# Altium PCB CM_PCB.PcbDoc (part 1 of 7) (continued)
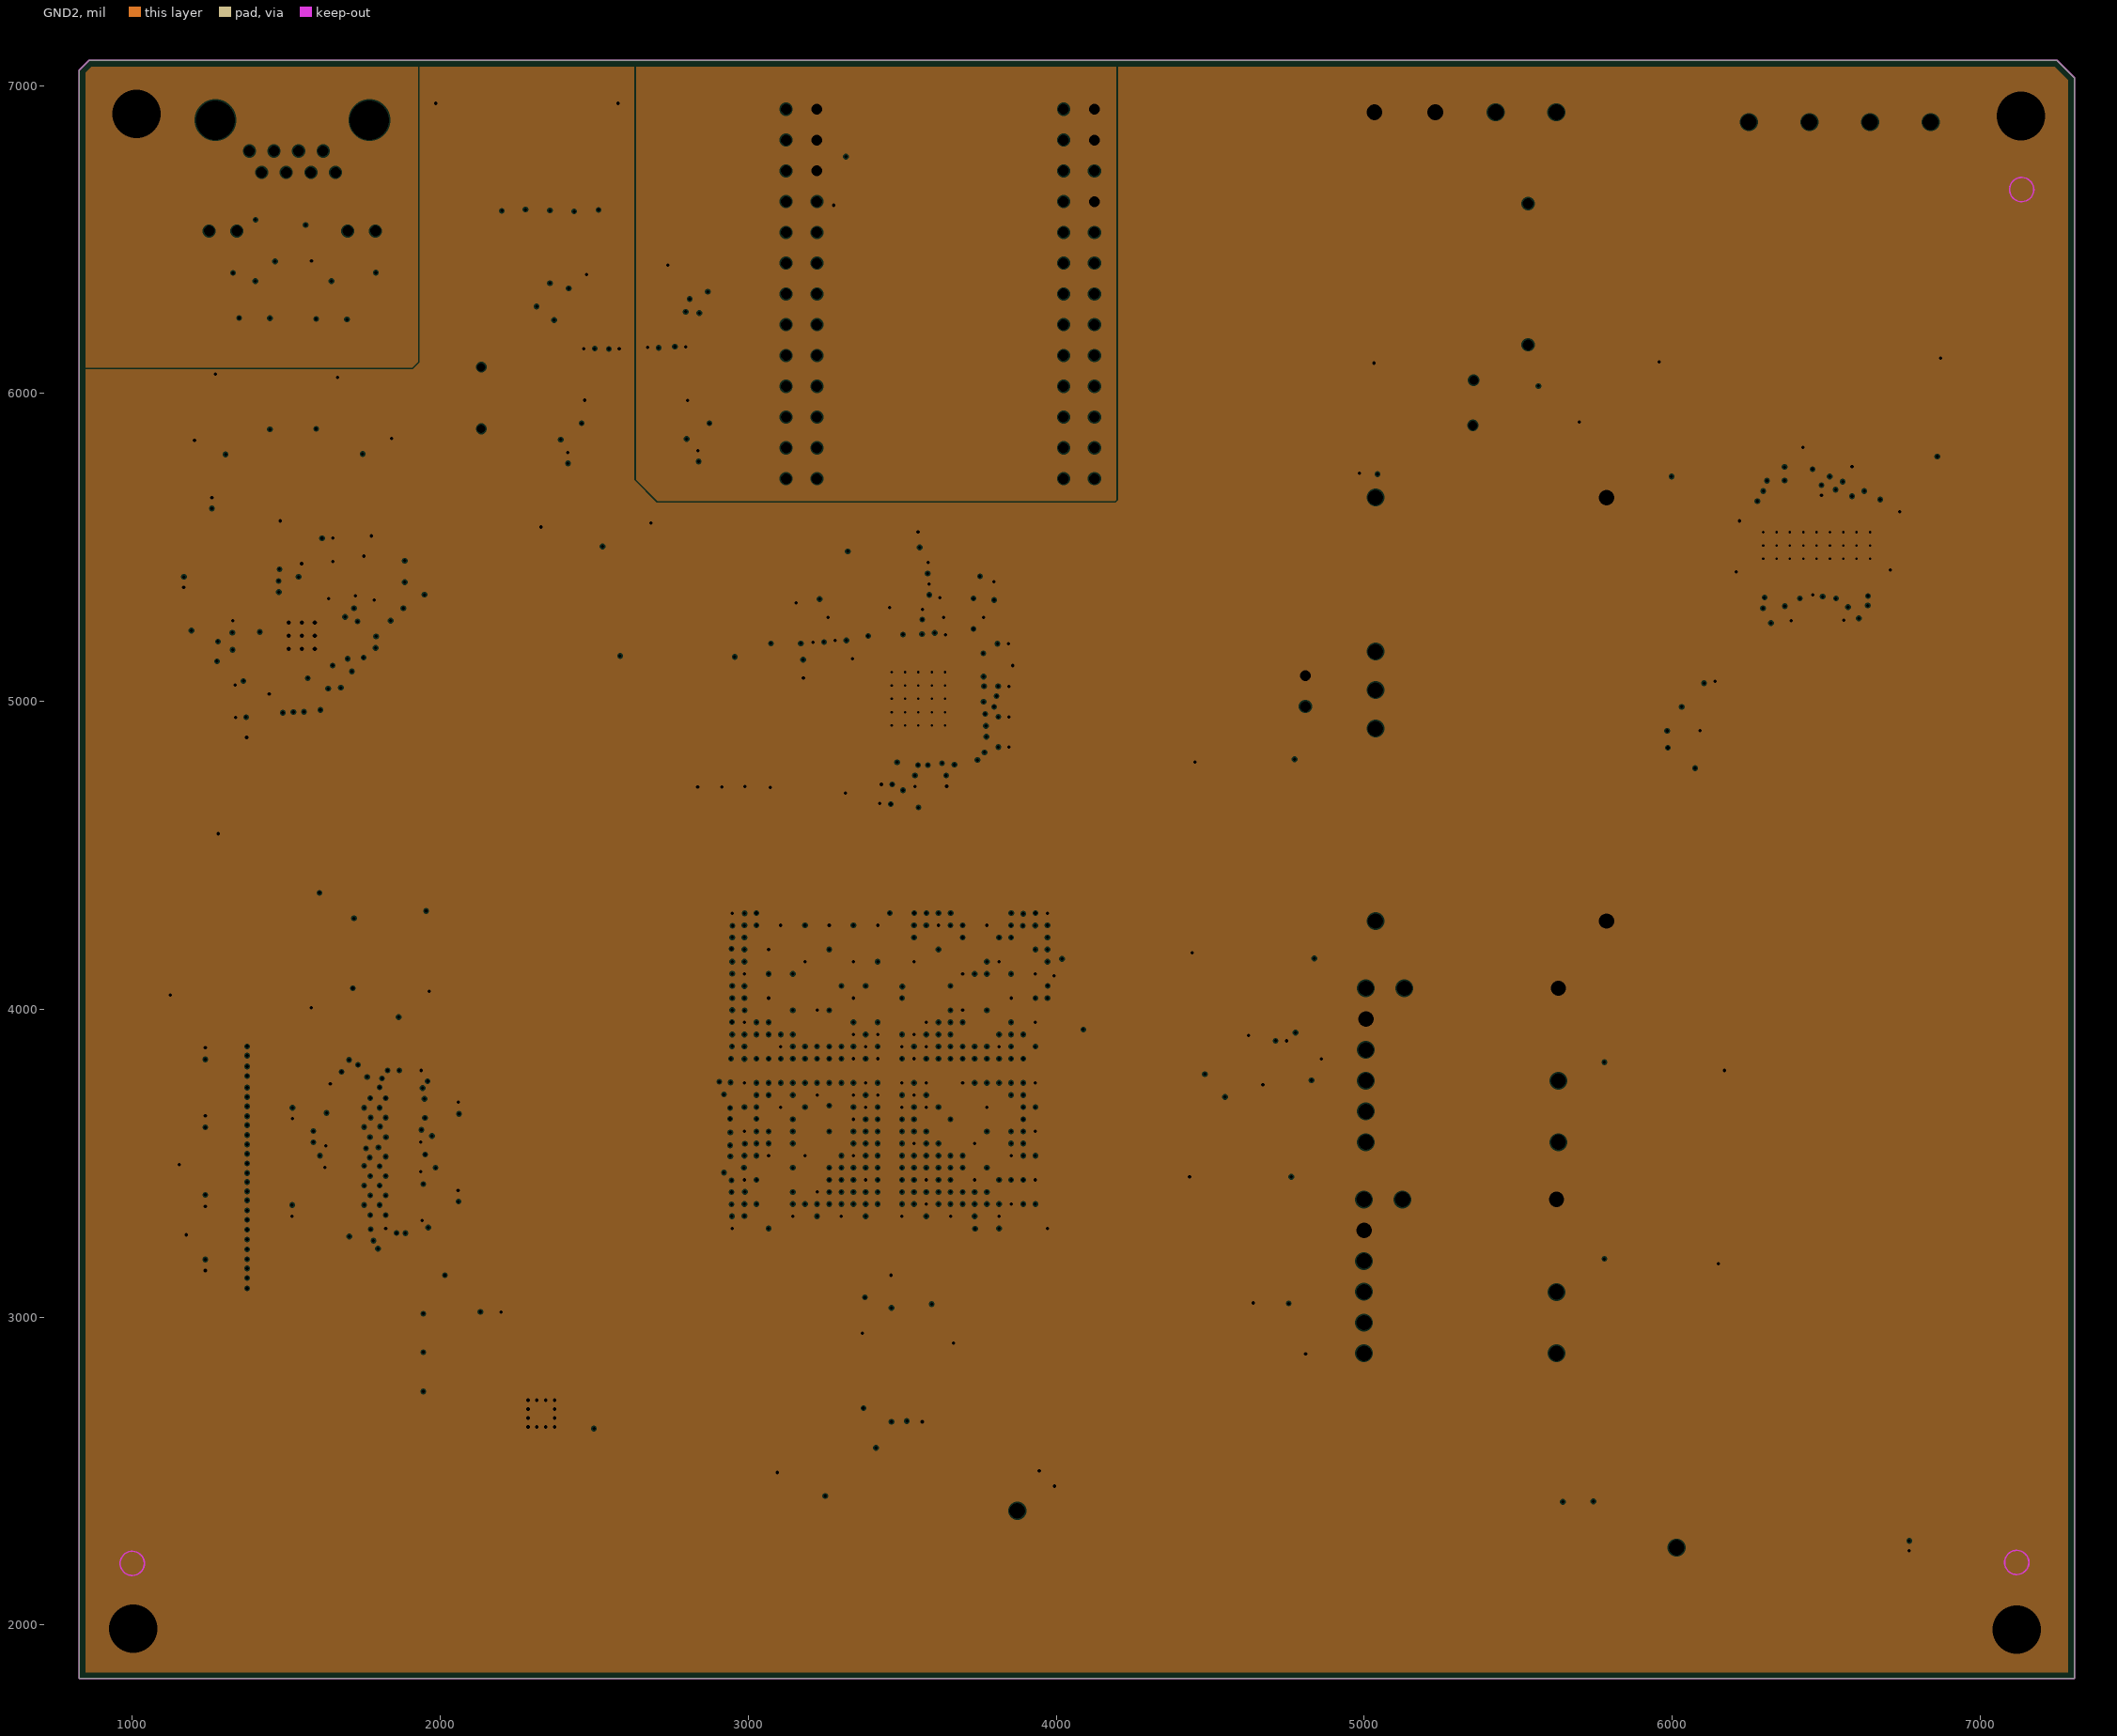
[diagram p4: GND2, clearances drawn from the general rule]
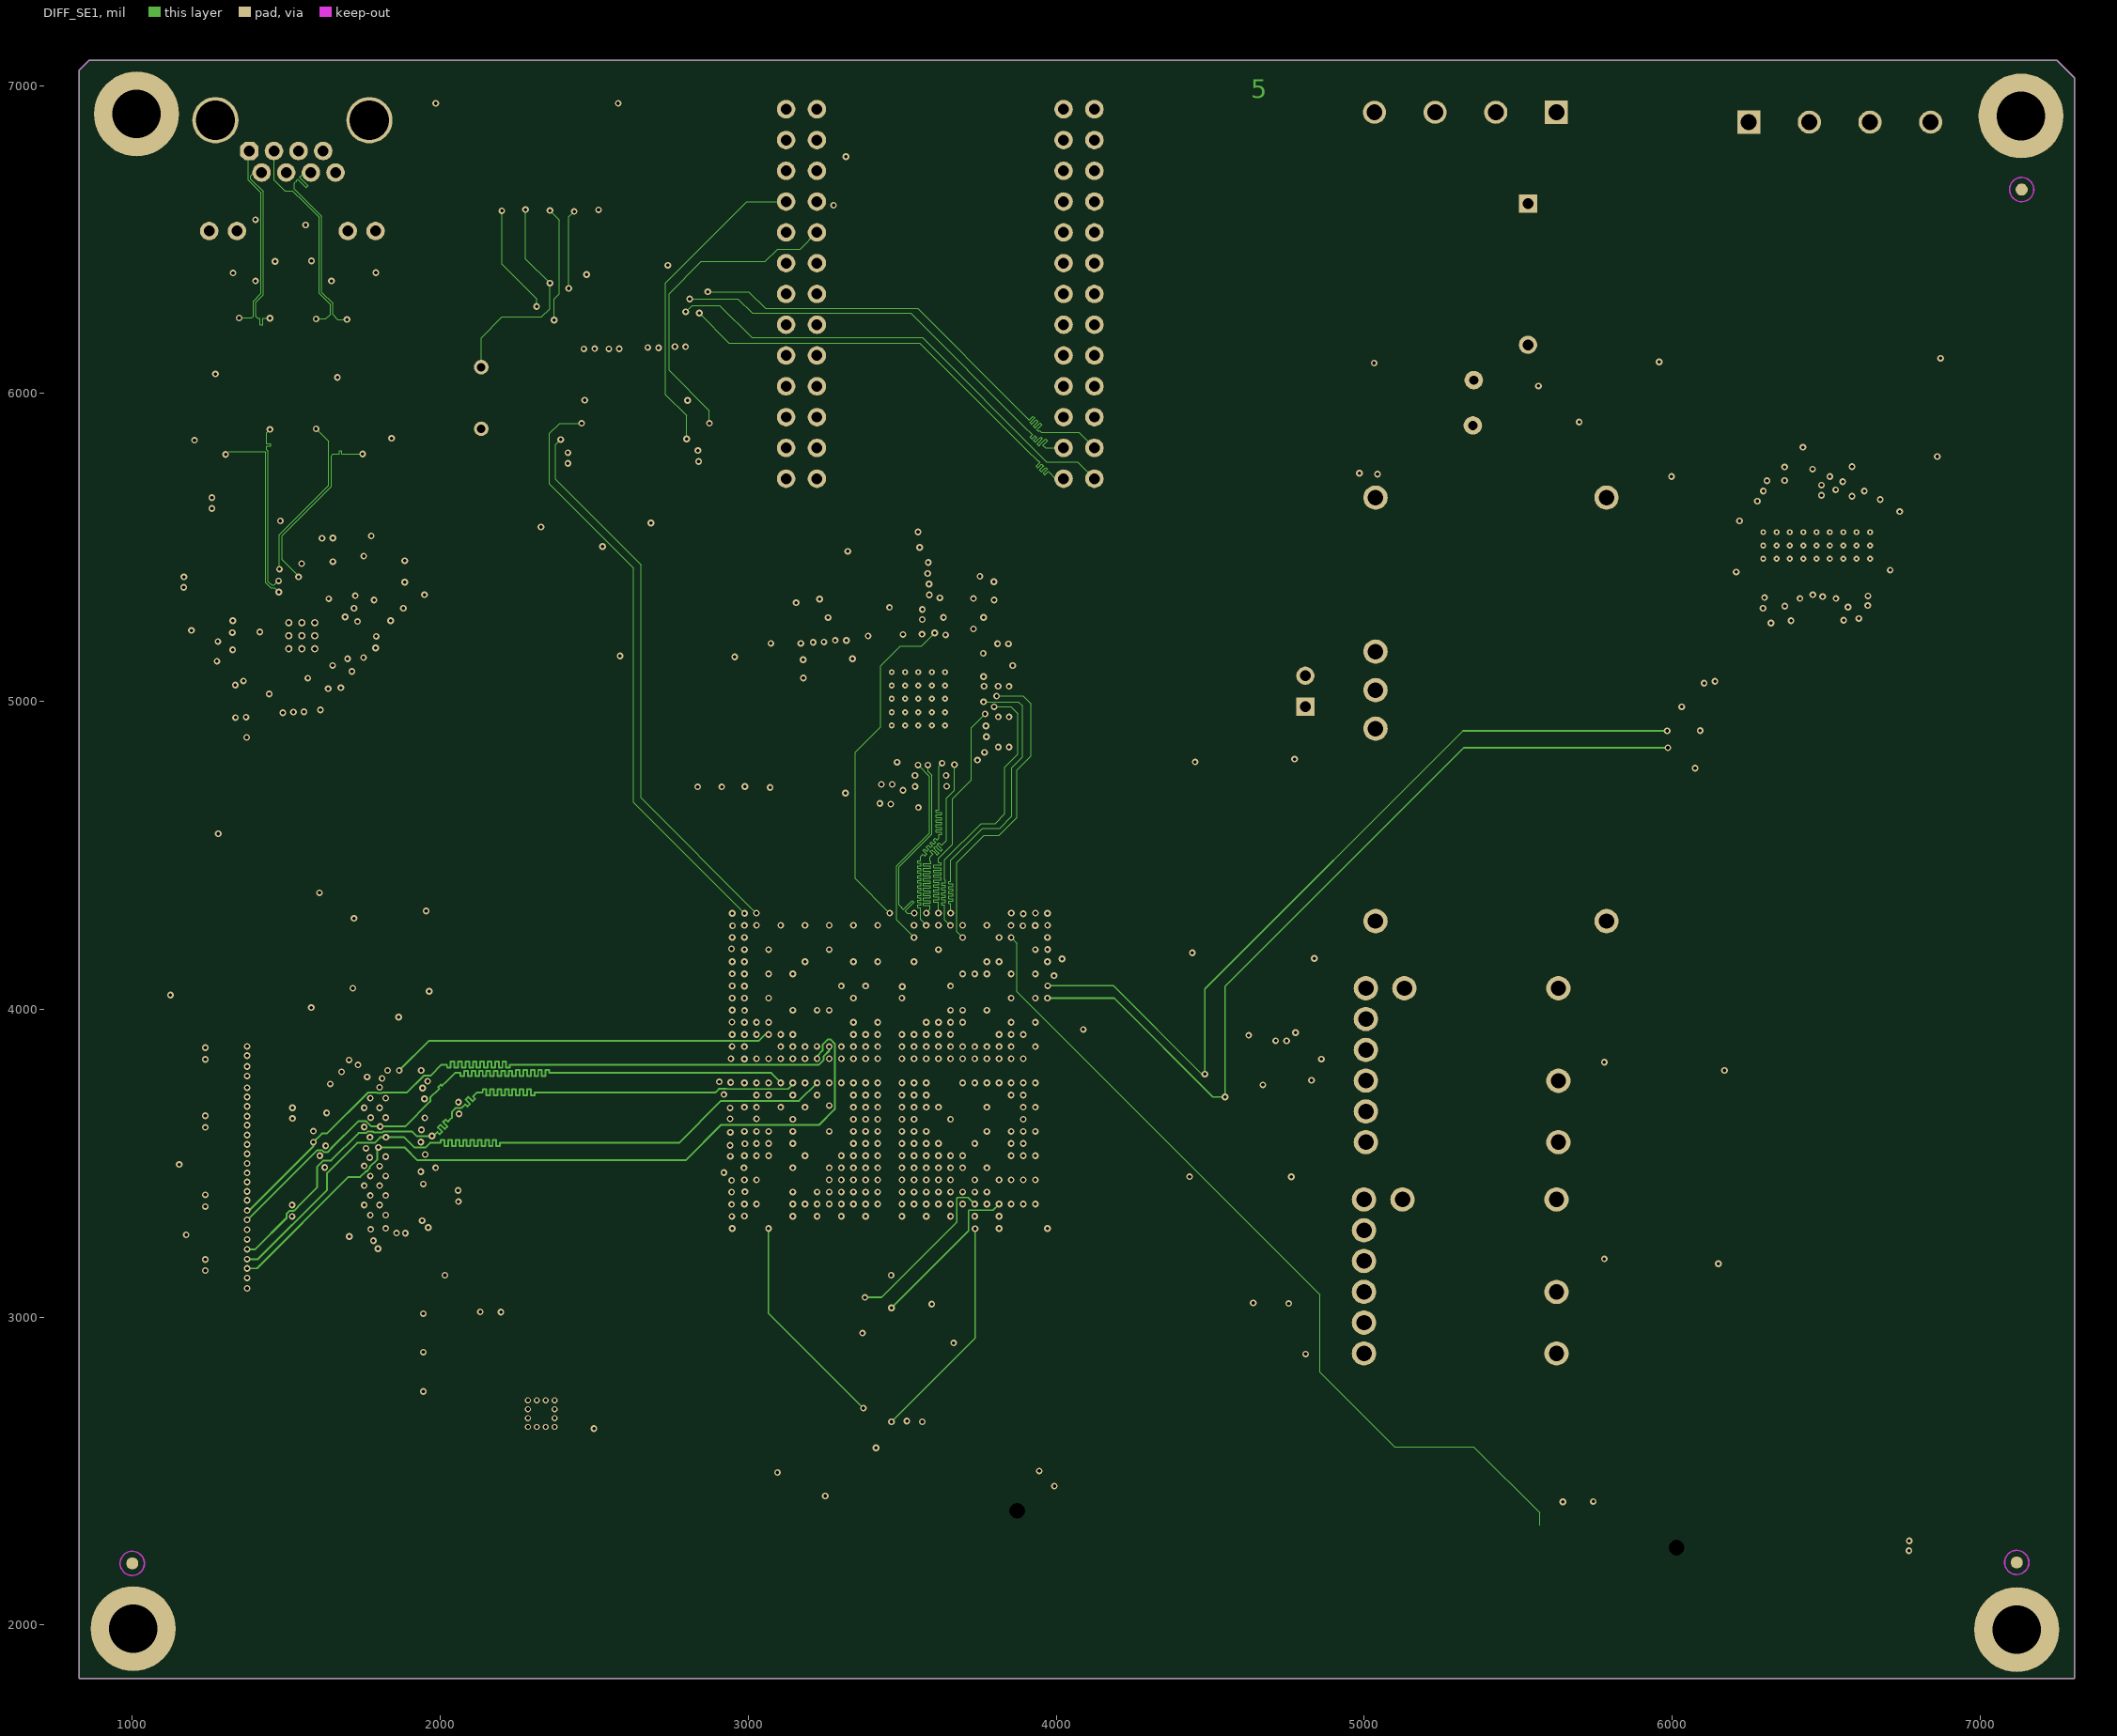
[diagram p5: DIFF_SE1]
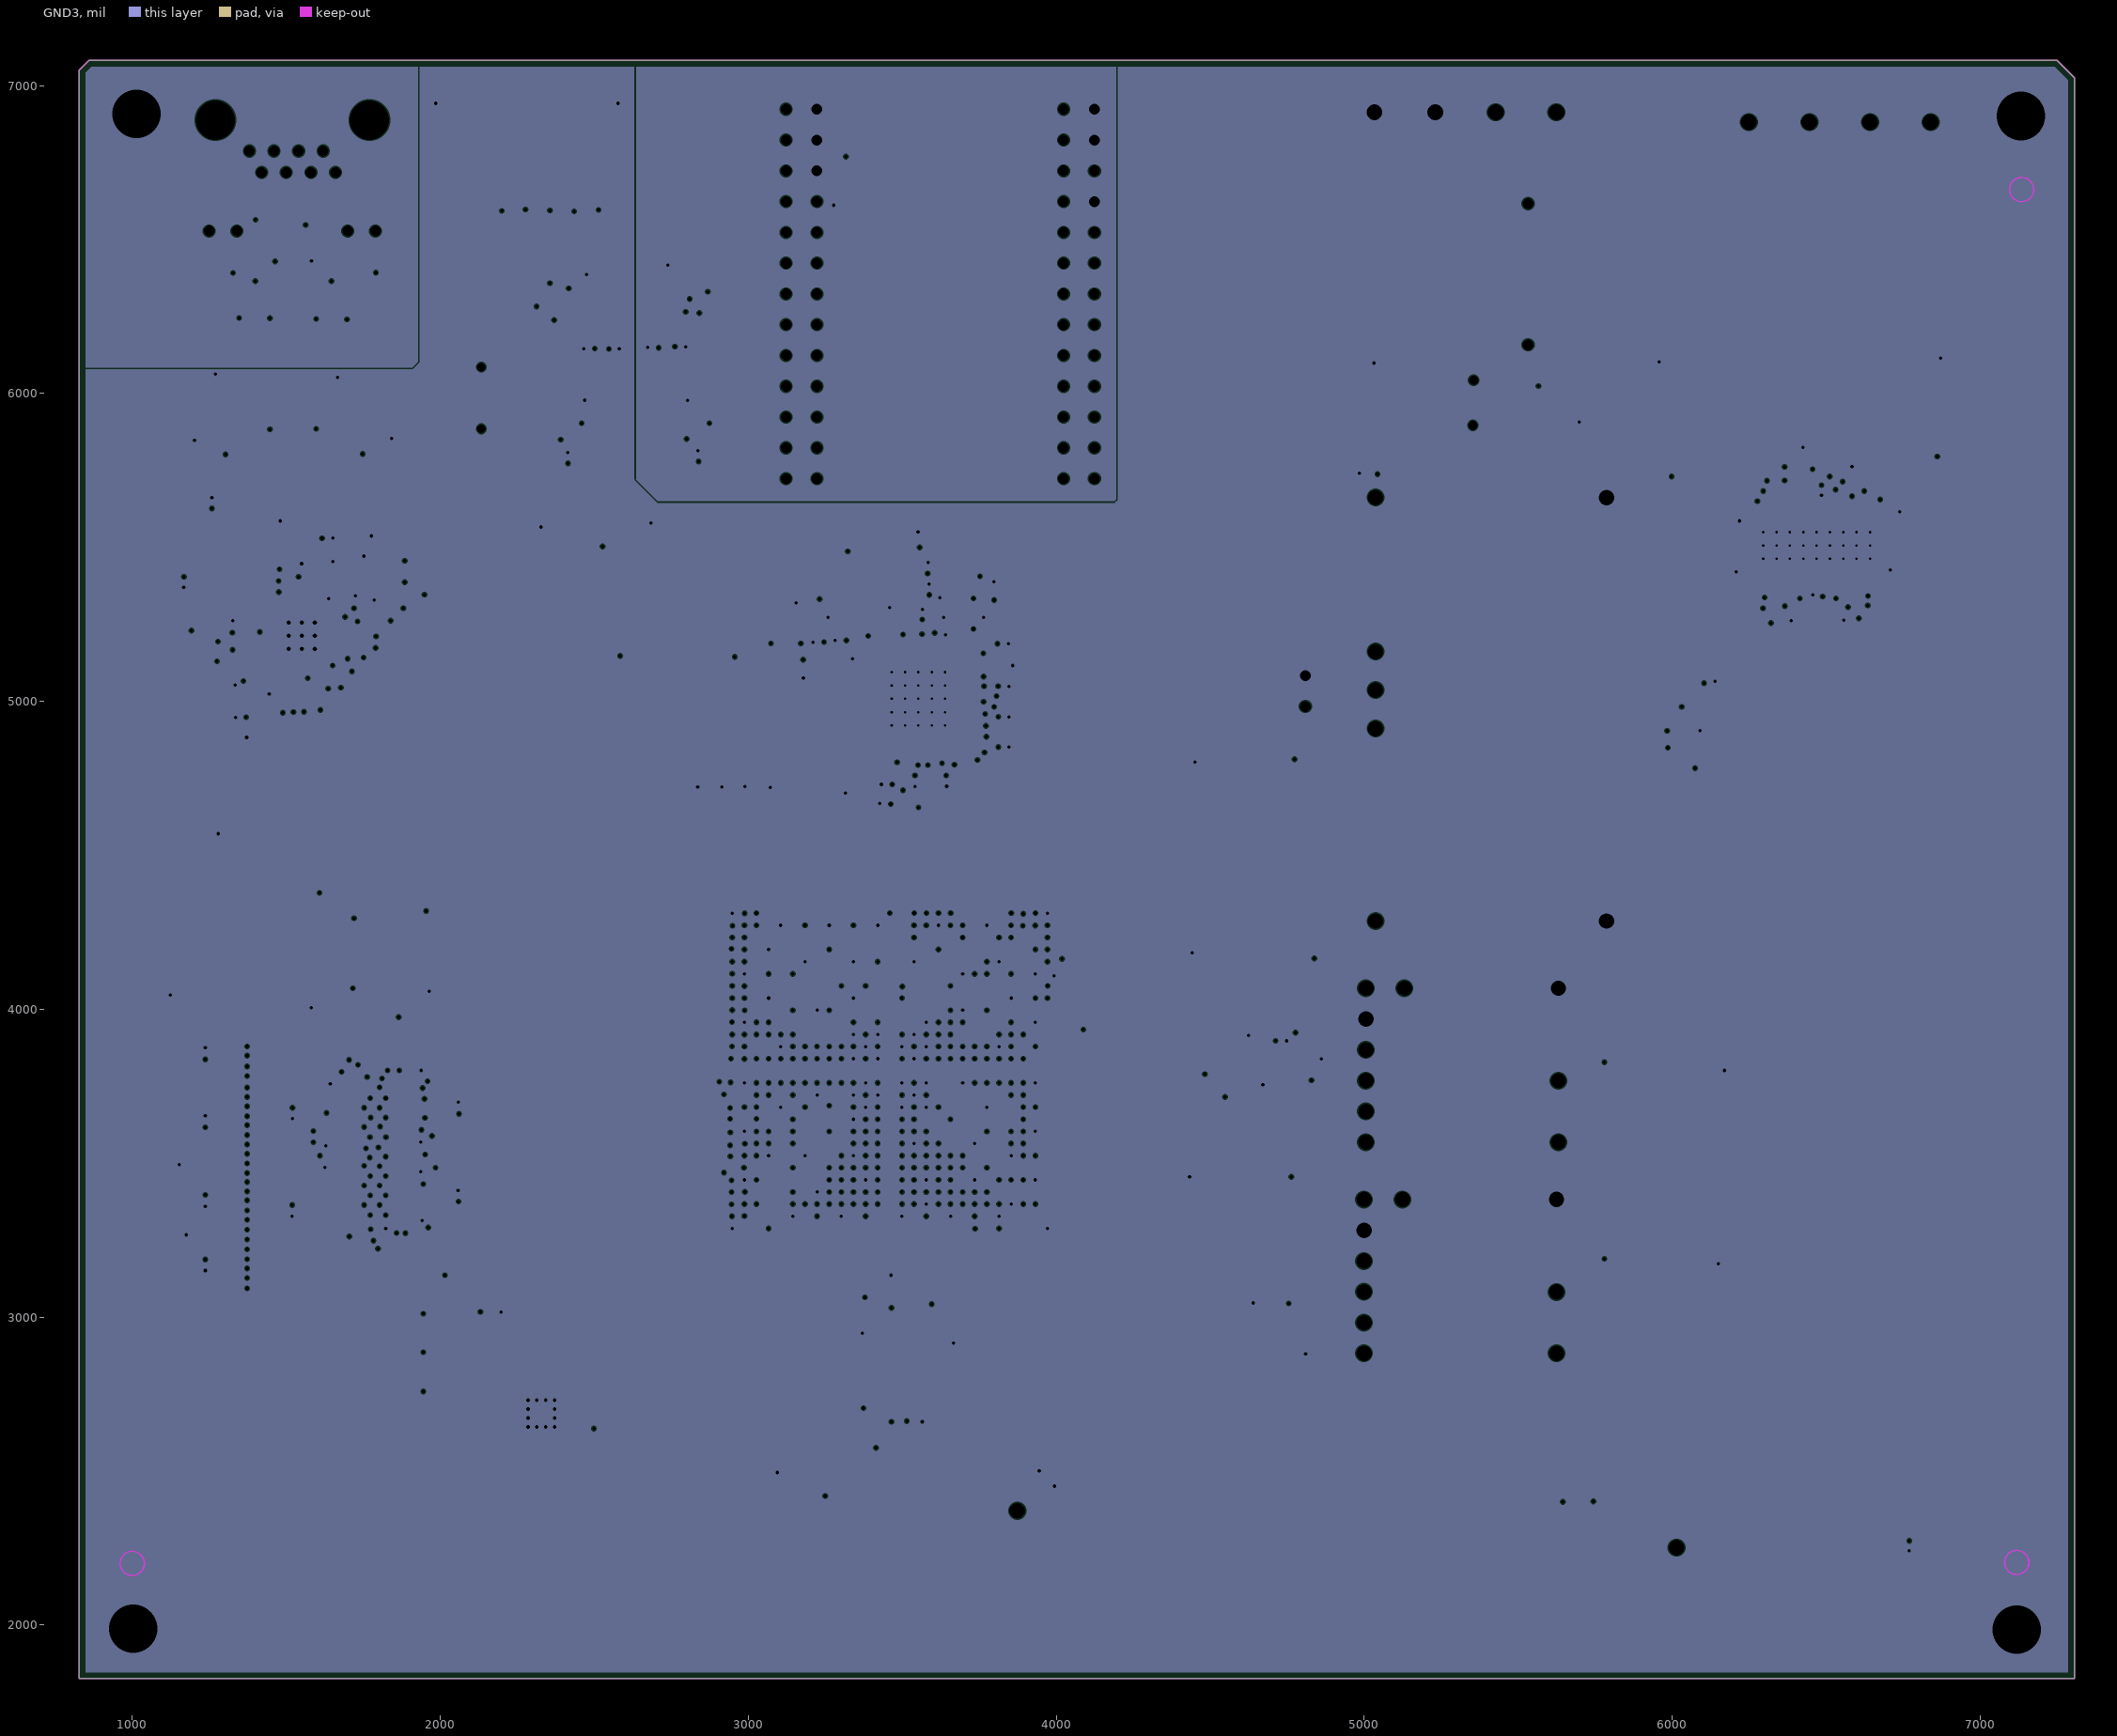
[diagram p6: GND3, clearances drawn from the general rule]
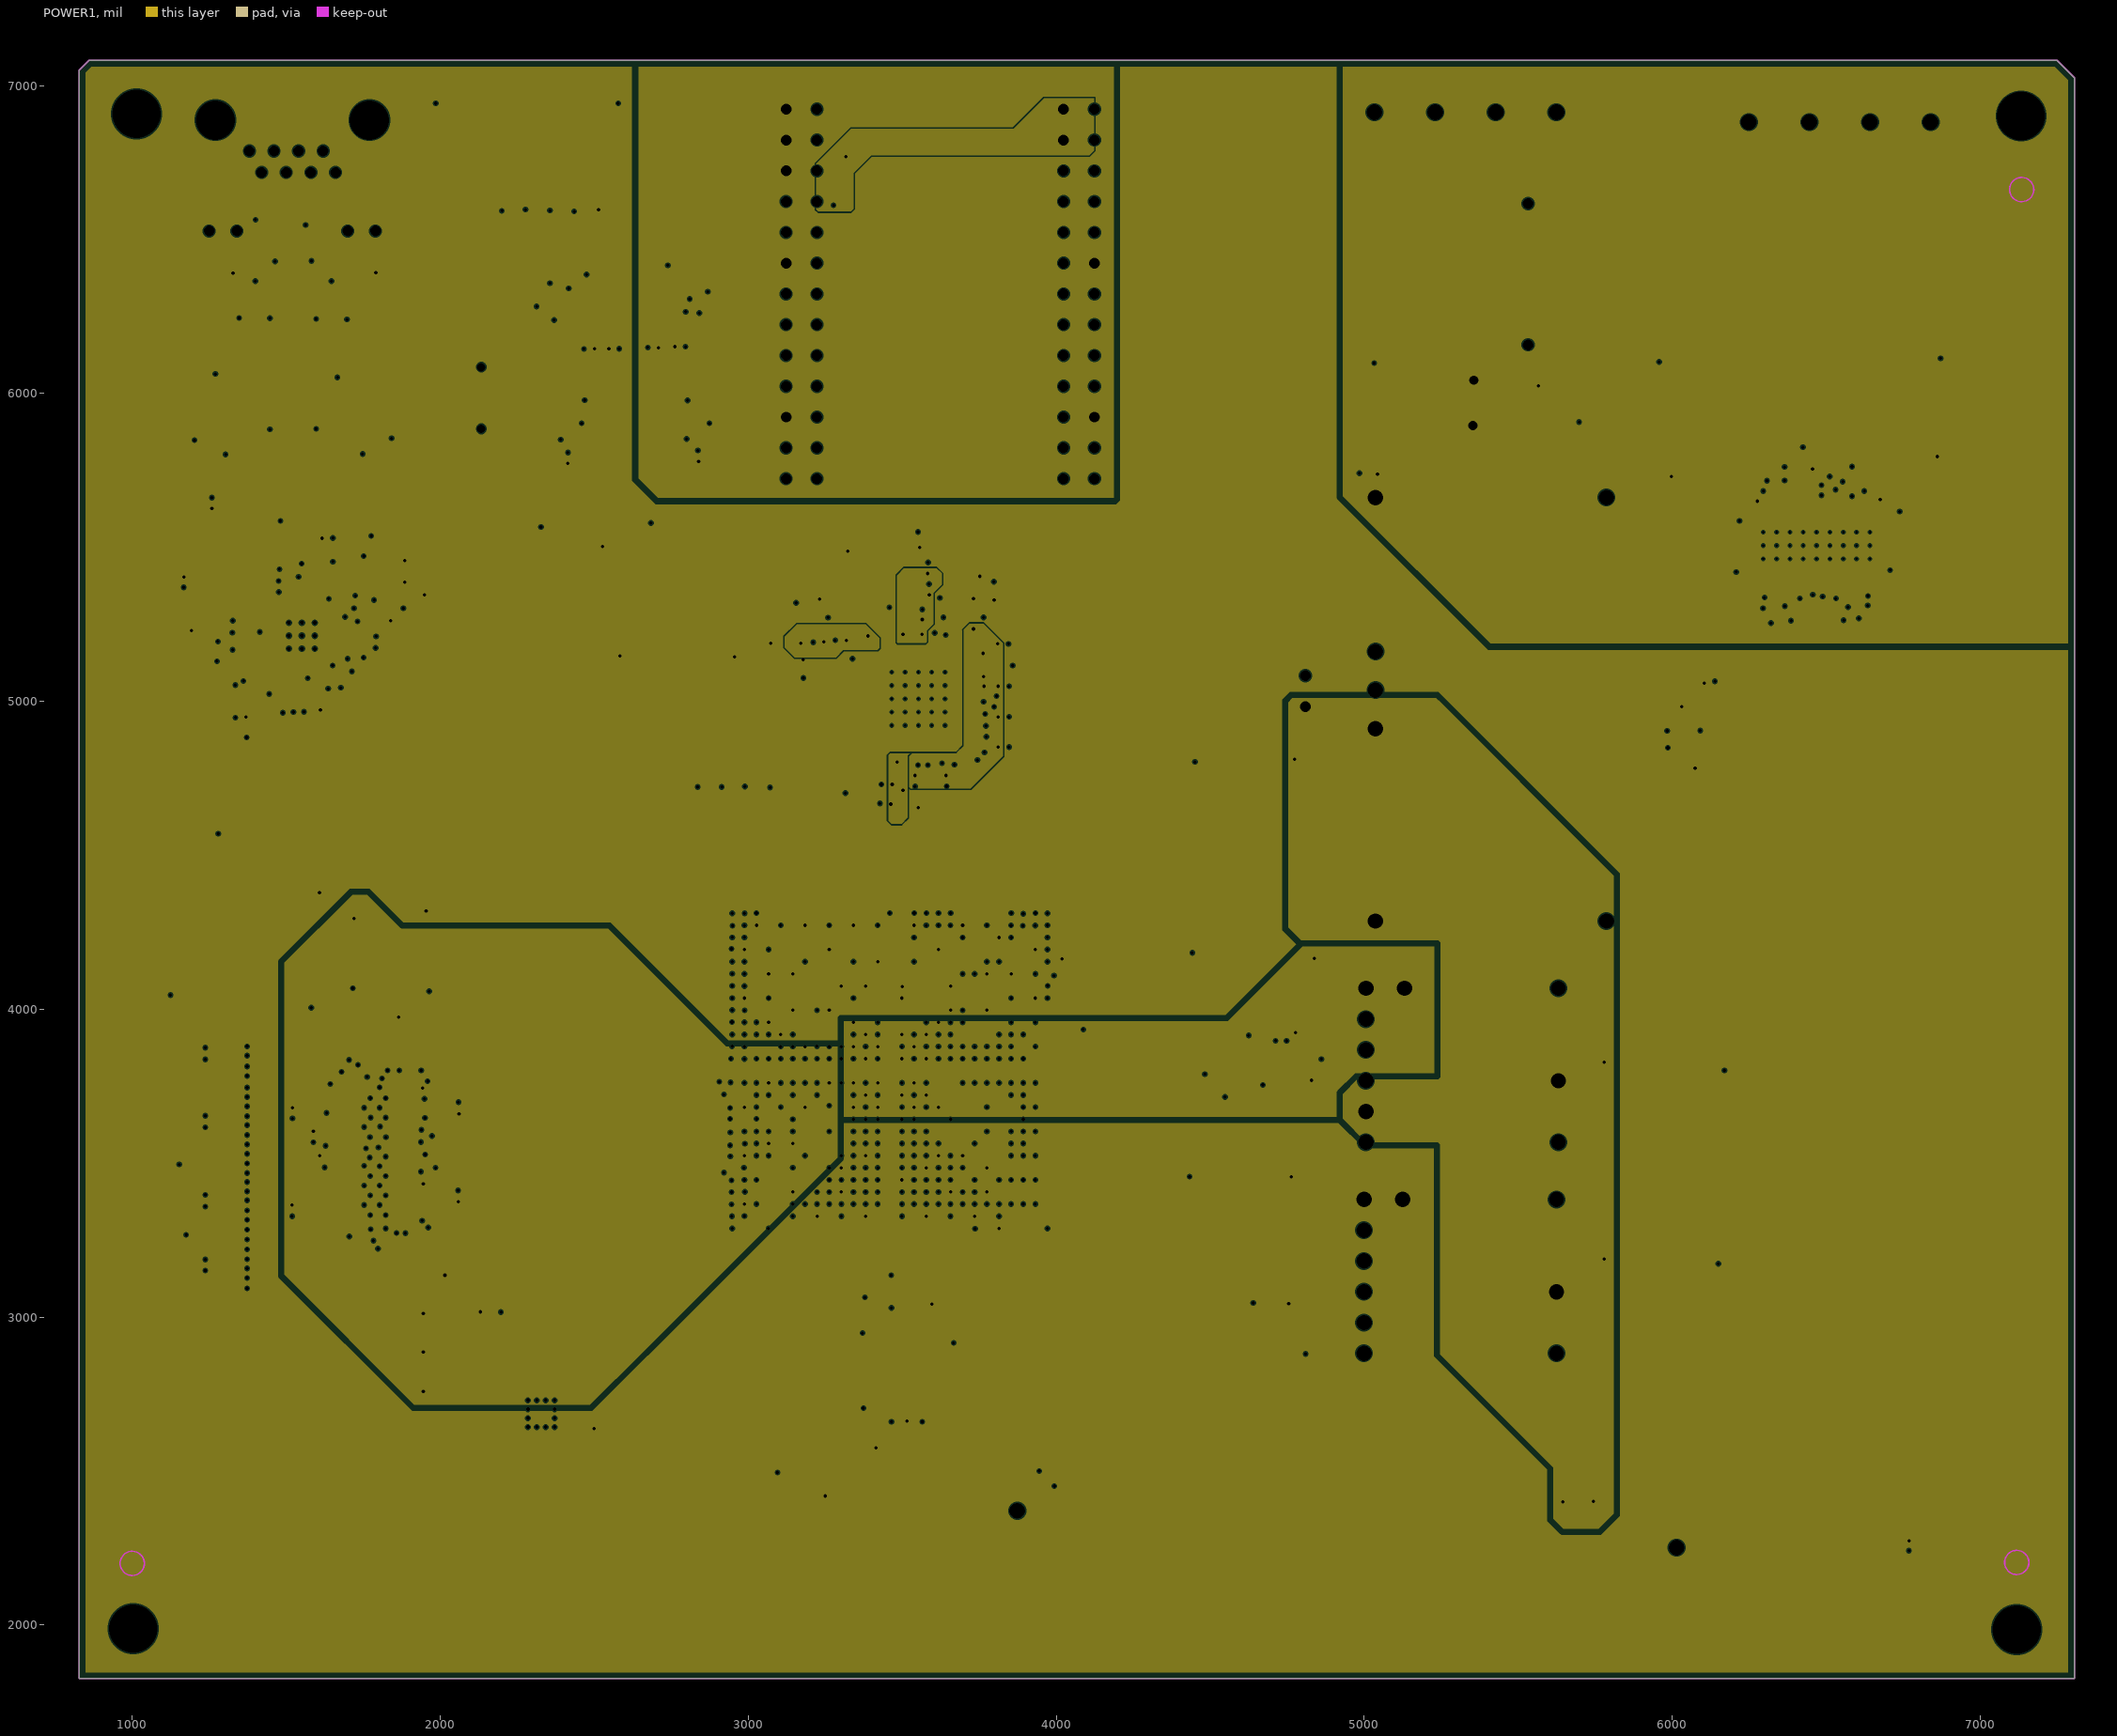
[diagram p7: POWER1, clearances drawn from the general rule]